# Altium PCB NNP-DWG-165-001-000 BP2 PCB, Unpopulated.PcbDoc (part 2 of 3) (continued)
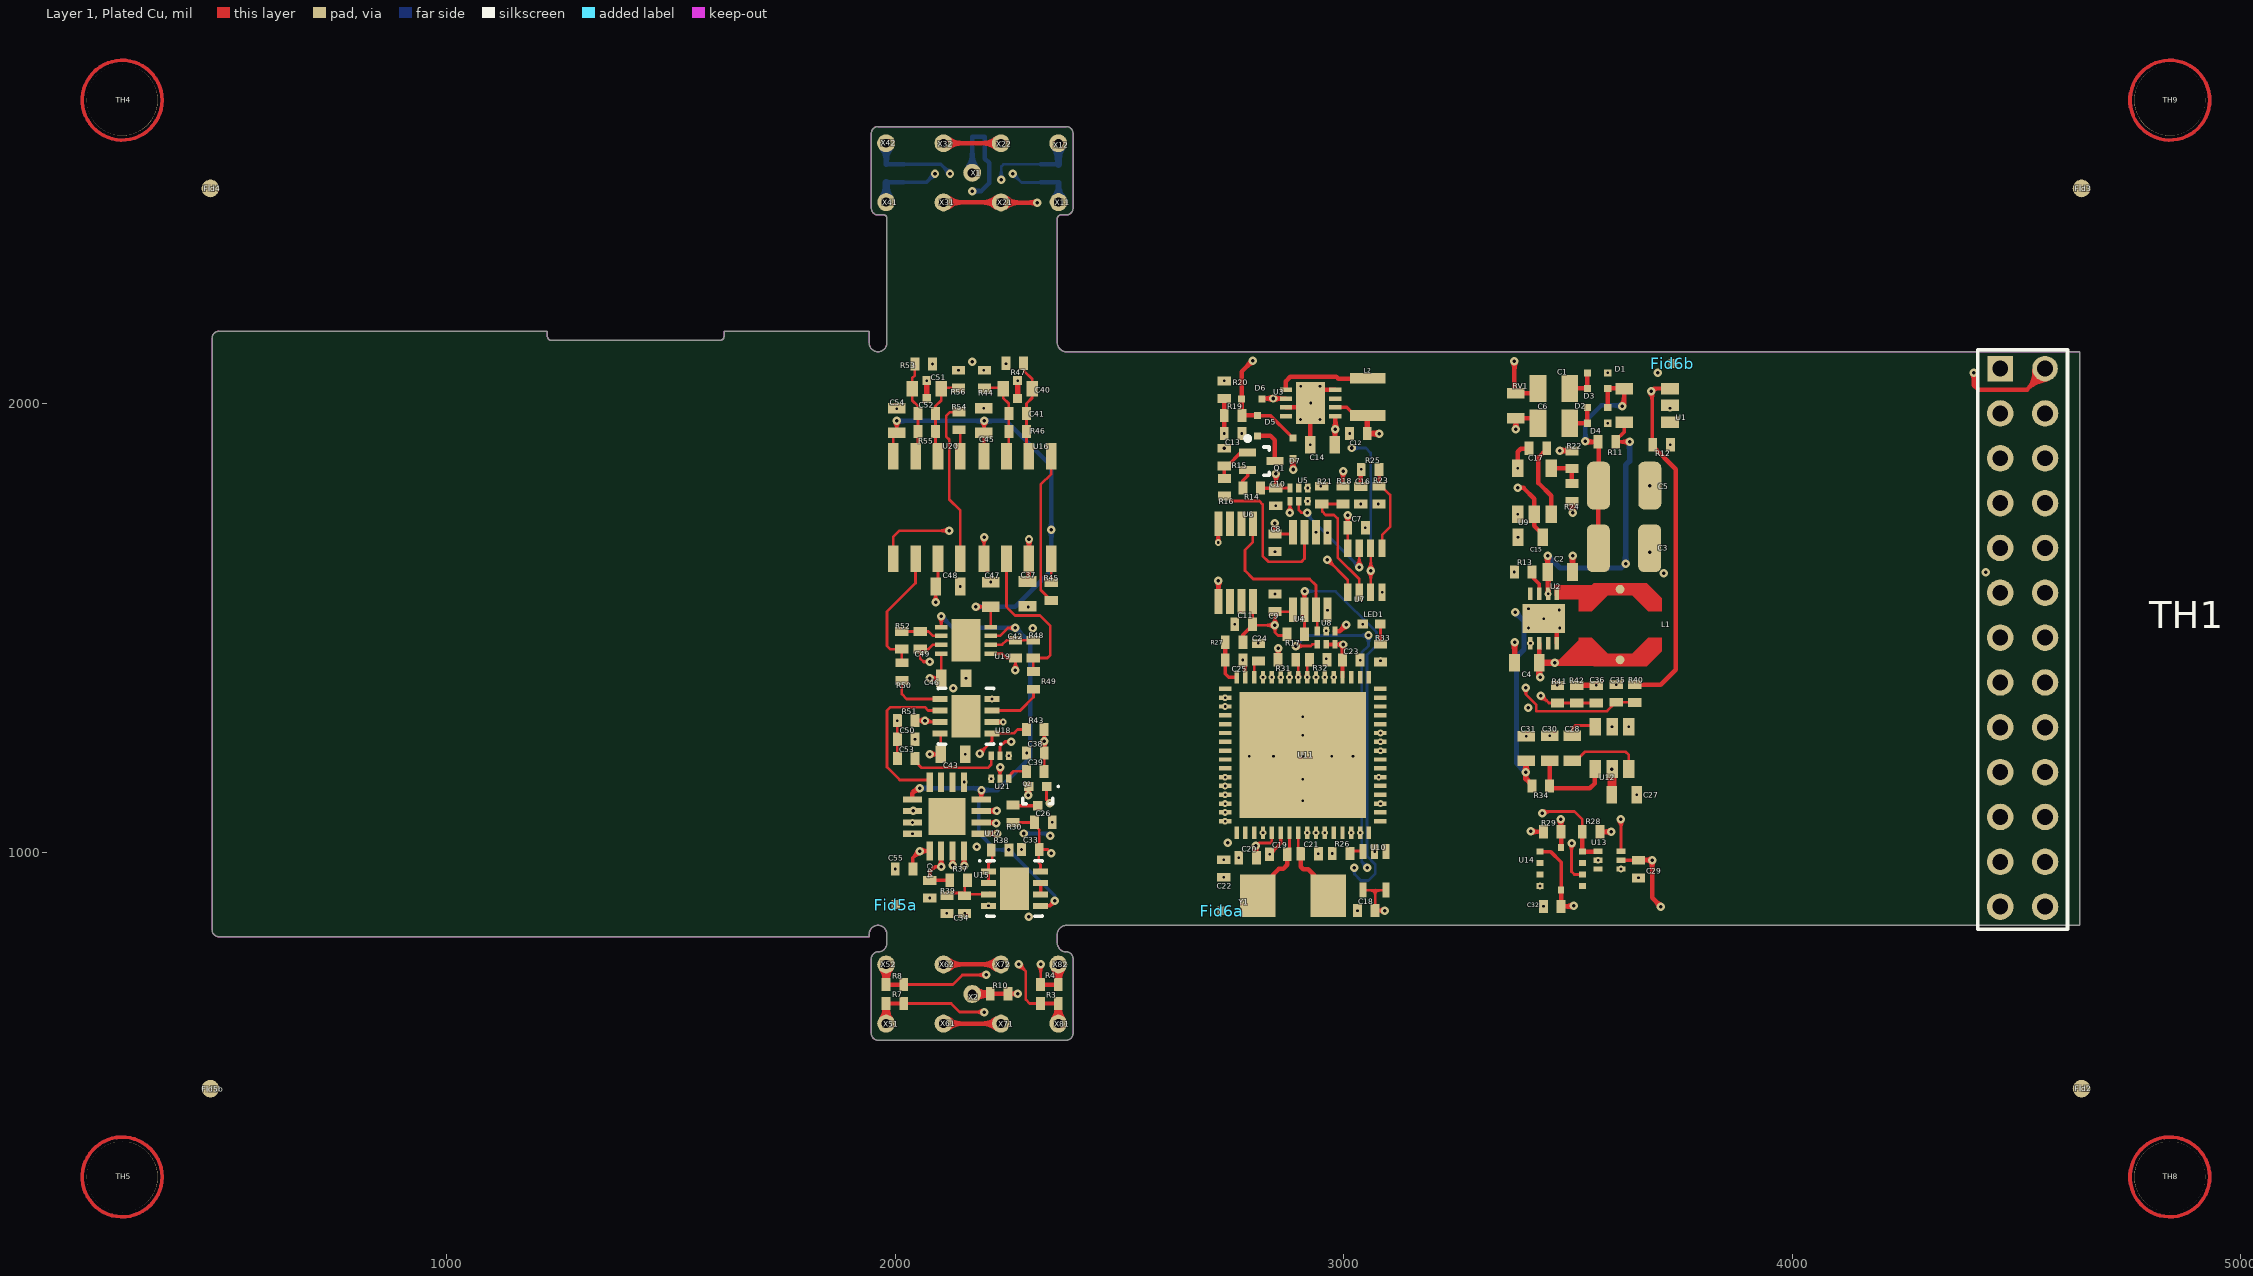
[diagram p0: Layer 1, Plated Cu view]
## Nets (pads, with @x,y where several pads share a name; then routed paths per layer and width w, separated by ;. In a path a pad name is that pad's centre, name@x,y a point inside that pad or via, vN(x,y) a via of type N, cw(c..) or ccw(c..) an arc to the next point about the centre after c; other vN are vias at no path point) (continued)
NetR38_1: R38.1 U15.1 U15.2 | length 77.2
  Layer 1, Plated Cu w5.98: U15.2@2207.81,931.44 U15.1@2207.81,957.03 2207.81,973.87 2216.43,982.49 R38.1@2216.43,1004.95 ; R38.1@2210.58,993.96 R38.1@2210.65,994.02
NetR45_1: R45.1 U16.1 | length 341.1
  Layer 1, Plated Cu w6: R45.1@2347.76,1561.52 2324.01,1585.27 2324.01,1819.9 2347.84,1843.72 U16.1@2347.84,1882.91
NetR45_2: R45.2 U16.8 | length 53.7
  Layer 1, Plated Cu w6: R45.2@2347.76,1600.89 2347.76,1654.48 U16.8@2347.84,1654.56
NetR49_2: R49.2 U18.3 | length 130
  Layer 1, Plated Cu w5.98: U18.3@2215.75,1315.98 2278.59,1315.98 2308.27,1345.66 R49.2@2308.27,1363.23 2304.83,1363.23 R49.2@2307.78,1366.18
NetR50_2: R50.2 U18.5 | length 124.5
  Layer 1, Plated Cu w5.98: R50.2@2017.92,1385.86 2014.47,1382.42 2014.47,1352.4 2025.3,1341.57 U18.5@2099.61,1341.57
NetR54_1: R54.1 U20.1 | length 60.4
  Layer 1, Plated Cu w5.98: R54.1@2141.94,1941.97 2145.08,1938.82 U20.1@2145.08,1882.91
NetR54_2: R54.2 U20.8 | length 363.3
  Layer 1, Plated Cu w5.98: R54.2@2141.94,1981.34 2122.25,1981.34 2113.39,1972.48 2113.39,1927.2 2120.28,1920.31 2120.28,1786.45 2145.08,1761.65 U20.8@2145.08,1654.56
NetU5_1: U5.1 U7.1 | length 254.2
  Layer 1, Plated Cu w5.98: v1@2880.12,1757.91 U5.1@2880.12,1782.52 ; v1(2963.79,1652.6) 3009.06,1607.32 U7.1@3009.06,1579.76
  Layer 3, Cu w5.98: v1@2880.12,1755.94 2880.12,1736.26 v1(2963.79,1652.6)
  other v1: 2880.12,1756.93
NetU5_2: U5.2 U7.7 | length 256.3
  Layer 1, Plated Cu w5.98: U5.2@2899.81,1782.52 2899.81,1762.83 2905.71,1756.93 v1(2918.51,1756.93) ; v1(3034.65,1635.86) U7.7@3034.65,1678.19
  Layer 3, Cu w10: v1@3033.67,1635.86 v1(3034.65,1635.86)
  Layer 4, Plated Cu w5.98: v1@2912.6,1756.93 2913.59,1756.93 v1(3034.65,1635.86)
NetU6_5: U6.5 U8.1 | length 400
  Layer 1, Plated Cu w10: U6.5@2720.68,1561.06 v1(2720.68,1605.35) ; U8.1@2980.52,1493.15 2991.43,1493.15 v1(3005.21,1506.93)
  Layer 3, Cu w5.98: v1(2720.68,1605.35) 2792.05,1533.98 2852.14,1533.98 2879.19,1506.93 v1(3005.21,1506.93)
NetU15_6: U15.6 U15.7 | length 25.6
  Layer 1, Plated Cu w8: U15.6@2323.96,905.85 U15.7@2323.96,931.44
NetU17_5: U17.5 U18.2 | length 199.6
  Layer 1, Plated Cu w8: U18.2@2215.75,1290.39 v2(2240.62,1290.39)
  Layer 2, Cu w8: v2(2153.41,1156.6) 2161.64,1156.6 2221.41,1216.36 2221.41,1271.18 v2(2240.62,1290.39)
NetU17_8: U17.8 U18.6 | length 363.6
  Layer 1, Plated Cu w5.98: U17.8@2076.58,1156.04 2071.82,1160.8 2010.16,1160.8 2009.3,1161.66 1981.5,1189.46 1981.5,1315.49 1989.38,1323.36 2065.66,1323.36 2073.13,1315.89 2099.71,1315.89 U18.6@2102.57,1313.03
NRESET: R26.2 TH1.10 U11.20 | length 1887.7
  Layer 2, Cu w5.98: v3(2820.08,1066.97) v2(2820.08,1043.34) 2844.69,1018.74 2952.96,1018.74 v2(2974.61,997.08)
  Layer 3, Cu w5.98: v3(2820.08,1066.97) 2858.79,1105.67 3637.07,1105.67 3709.85,1178.44 TH1.10@4464.26,1178.44
OFF1: C42.1 R31.1 U16.5 U19.1 | length 1083.2
  Layer 1, Plated Cu w5.98: U16.5@2197.84,1654.56 v1(2197.84,1702.6) ; U19.1@2212.8,1442.95 2238.39,1442.95 2248.23,1433.11 C42.1@2258.08,1433.11 ; v1(2267.92,1405.55) C42.1@2267.92,1433.11 ; R31.1@2854.04,1429.66 v1(2854.04,1455.25)
  Layer 3, Cu w5.98: v1@2198.2,1702.6 2198.2,1475.27 v1(2267.92,1405.55) 2303.38,1405.55 2353.09,1455.25 v1(2854.04,1455.25)
OFF2: C49.1 R32.1 U19.7 U20.5 | length 1556.6
  Layer 1, Plated Cu w5.98: U20.5@1995.08,1654.56 1995.08,1702.6 2009.55,1717.06 v1(2120.28,1717.06) ; v1(2076.97,1424.74) 2062.7,1424.74 2055.32,1432.12 C49.1@2055.32,1452.79 2074.02,1452.79 2083.86,1462.64 U19.7@2102.57,1462.64
  Layer 2, Cu w5.98: v1(2076.97,1424.74) 2110.59,1458.35 2265.89,1458.35 v1(2306.62,1499.09)
  Layer 2, Cu w7.87: v2(2961.32,1431.62) 2961.32,1463.12 v3(2962.8,1464.6)
  Layer 3, Cu w5.98: v1(2076.97,1424.74) 2121.42,1469.19 2121.42,1720.84 v1@2120.28,1721.99 ; v1(2306.62,1499.09) 2327.32,1478.38 2906.7,1478.38 2920.48,1464.6 v3(2962.8,1464.6)
PB5: TH1.12 U11.15 | length 1788.8
  Layer 2, Cu w10: v2(2735.44,1088.62) v5(2757.09,1088.62)
  Layer 3, Cu w6: v5(2757.09,1088.62) 2779.71,1088.62 2790.56,1077.77 2790.56,1053.34 2820.22,1023.68 3382.37,1023.68 3403.73,1002.32 3695.57,1002.32 3719.45,978.44 TH1.12@4464.26,978.44
PB6: TH1.25 U11.16 | length 1933.1
  Layer 2, Cu w10: v2(2735.44,1068.93) 2735.6,1068.78 2763.55,1068.78 v5(2766.04,1066.29)
  Layer 3, Cu w6: v5(2766.04,1066.29) 2766.04,1020.26 2795.57,990.73 3390.35,990.73 3416.52,964.56 3693.81,964.56 3728,930.37 4495.26,930.37 4543.33,978.44 TH1.25@4564.26,978.44
RXCAN: TH1.16 U8.4 U11.31 | length 2655.3
  Layer 1, Plated Cu w5.98: v1(2892.92,1459.68) 2926.38,1459.68 2930.32,1463.62 U8.4@2941.15,1463.62
  Layer 2, Cu w5.98: v2(3036.62,1043.34) 3036.62,1009.88 3052.37,994.13 v1(3052.37,965.59)
  Layer 3, Cu w5.98: v1@3053.35,1483.3 v1(3055.32,1483.3) 3083.91,1511.89 3514.52,1511.89 3573.03,1570.4 3573.03,1750.14 3750.66,1927.76 4514.94,1927.76 TH1.16@4564.26,1878.44
  Layer 4, Plated Cu w5.98: v1(2892.92,1459.68) 2916.54,1483.3 v1@3054.43,1483.3 ; v1@3052.53,965.59 3040.18,977.93 3040.18,1445.11 3055.32,1460.25 v1(3055.32,1483.3)
RXD0: TH1.19 U11.2 | length 1995.6
  Layer 2, Cu w5.98: v2(2735.44,1344.52) v3(2774.81,1344.52)
  Layer 3, Cu w5.98: v3(2774.81,1344.52) 2863.39,1344.52 2928.07,1279.84 3490.92,1279.84 3679.87,1468.79 3679.87,1496.71 3710.96,1527.79 4513.61,1527.79 TH1.19@4564.26,1578.44
SCK: TH1.21 U11.11 U17.1 | length 2605.9
  Layer 1, Plated Cu w10: U17.1@2191.74,1040.88 v1(2227.32,1040.88)
  Layer 2, Cu w5.98: v2@2732.02,1167.36 v2(2735.44,1167.36) 2759.93,1167.36 v3(2760.06,1167.22)
  Layer 3, Cu w5.98: v1(2227.32,1040.88) 2256.54,1070.11 2256.54,1114.61 2309.55,1167.62 2759.67,1167.62 v3(2760.06,1167.22) 2760.46,1166.83 2818.75,1166.83 2842.65,1142.93 3585.35,1142.93 3625.82,1183.4 3625.82,1215.65 3742.55,1332.38 4518.2,1332.38 TH1.21@4564.26,1378.44
SCL: R28.2 TH1.23 U11.25 U13.1 U14.9 | length 1932
  Layer 1, Plated Cu w5.98: v1(3442.65,1086.62) 3446.75,1090.72 3514.34,1090.72 3532.14,1072.93 R28.2@3532.14,1045.37
  Layer 1, Plated Cu w10: R28.2@3532.14,1045.37 3532.14,1001.33 U14.9@3532.18,1001.29 3566.9,1001.29 U13.1@3567.39,1001.77
  Layer 2, Cu w5.98: v2(2918.51,1043.34) v3(2918.51,1084.68)
  Layer 3, Cu w5.98: v3(2918.51,1084.68) 2918.63,1084.8 3440.83,1084.8 v1(3442.65,1086.62) 3448.77,1092.74 3654.17,1092.74 3688.61,1127.18 3733.77,1127.18 4343.37,1125.97 4511.79,1125.97 TH1.23@4564.26,1178.44
SDA: R29.2 TH1.11 U11.26 U13.6 U14.10 | length 1691
  Layer 1, Plated Cu w5.98: v1(3618.05,1072.93) 3618.57,1072.41 U13.6@3618.57,1001.77
  Layer 1, Plated Cu w10: v1(3483.58,1072.89) 3484.62,1071.85 R29.2@3484.62,1045.44 ; U14.10@3484.93,1010.15 R29.2@3484.93,1045.12
  Layer 2, Cu w9.84: v2(2938.2,1043.34) v3(2938.2,1066.97)
  Layer 3, Cu w5.98: v3(2938.2,1066.97) 3477.66,1066.97 v1(3483.58,1072.89) v1@3618.01,1072.89 ; v1(3618.05,1072.93) 3620.5,1070.48 3794.17,1070.48 4330.71,1069.68 4455.5,1069.68 TH1.11@4464.26,1078.44
TCK: R31.2 TH1.5 U11.57 | length 1885.6
  Layer 1, Plated Cu w5.98: R31.2@2893.41,1429.66 2898.82,1424.25 v2(2898.82,1389.8)
  Layer 2, Cu w5.98: v2(2898.82,1389.8) 2898.82,1356.19 2905.57,1349.45 v3@2918.51,1349.45
  Layer 3, Cu w5.98: v3(2918.51,1348.46) 2963.19,1303.78 3463.14,1303.78 3646.65,1487.29 3646.65,1603.36 3721.74,1678.44 TH1.5@4464.26,1678.44
TDI: TH1.17 U11.54 | length 1960.3
  Layer 2, Cu w9.84: v2(2957.88,1389.8) v3(2957.88,1409.49)
  Layer 3, Cu w5.98: v3(2957.88,1409.49) 2979.53,1387.83 3414.61,1387.83 3430.48,1371.97 3483.04,1371.97 3608.97,1497.9 3608.97,1699.99 3725.93,1816.94 4525.75,1816.94 TH1.17@4564.26,1778.44
TDO: TH1.3 U11.55 | length 1931.2
  Layer 2, Cu w5.98: v2(2938.2,1389.8) v3(2938.2,1442.95)
  Layer 3, Cu w5.98: v3(2938.2,1442.95) 2965.64,1442.95 2998.32,1410.27 3442.61,1410.27 3447.95,1404.94 3483.86,1404.94 3590.27,1511.35 3590.27,1750.45 3718.26,1878.44 TH1.3@4464.26,1878.44
TMS: R32.2 TH1.18 U11.56 | length 1997
  Layer 1, Plated Cu w5.98: v2(2918.51,1389.8) 2918.51,1424.74 R32.2@2923.43,1429.66
  Layer 2, Cu w9.84: v3@2918.51,1375.04 v2(2918.51,1389.8)
  Layer 3, Cu w5.98: v3@2918.51,1375.04 2971.93,1321.62 v1(3411.32,1321.62) 3456.55,1321.62 3627.89,1492.96 3627.89,1617.39 3646.65,1636.15 3646.65,1660.76 3709.39,1723.5 4519.2,1723.5 TH1.18@4564.26,1678.44
  other v3: 2918.51,1373.07
TXCAN: R17.2 TH1.2 U4.2 U11.30 | length 2836
  Layer 1, Plated Cu w5.98: R17.2@2912.6,1483.3 R17.2@2912.6,1486.26 U4.2@2912.6,1540.39 v1(2912.6,1581.73)
  Layer 2, Cu w5.98: v2(3016.94,1043.34) 3016.94,1004.96 3023.82,998.07 v1(3023.82,965.59)
  Layer 3, Cu w5.98: v1(2912.6,1581.73) 2929.34,1565 3474.92,1565 3553.56,1643.63 3553.56,1757.6 3684.47,1888.51 3684.47,1937.56 3726.54,1979.64 4444.5,1979.64 4454.95,1969.19 TH1.2@4464.26,1969.19
  Layer 4, Plated Cu w5.98: v1(2912.6,1581.73) 2982.12,1581.73 3073.16,1490.69 3073.16,1461.15 3052.15,1440.15 3052.15,991.03 3070.2,972.98 3070.2,951.53 3055.32,936.65 3038,936.65 3023.82,950.82 v1(3023.82,965.59)
TXCANBUS: R16.2 U4.7 | length 367.8
  Layer 1, Plated Cu w5.98: R16.2@2733.91,1794.11 2739.32,1794.11 2750.22,1783.21 2811.74,1783.21 2819.1,1775.85 2819.1,1660.57 2832,1647.67 2905.71,1647.67 2912.6,1654.56 U4.7@2912.6,1712.64
TXD0: TH1.7 U11.3 | length 1839.6
  Layer 2, Cu w5.98: v2(2735.44,1324.84) v3(2759.06,1324.84)
  Layer 3, Cu w5.98: v3(2759.06,1324.84) 2857.49,1324.84 2914.45,1267.87 3506.97,1267.87 3714.96,1475.87 4461.69,1475.87 TH1.7@4464.26,1478.44
UCH1: R43.1 U17.3 U18.1 | length 314.6
  Layer 1, Plated Cu w5.98: v1(2188.13,1220) 2215.75,1247.62 U18.1@2215.75,1264.8 2215.87,1264.92 2264.1,1264.92 2272.84,1273.66 R43.1@2292.53,1273.66
  Layer 1, Plated Cu w10: U17.3@2191.74,1092.06 v1(2226.02,1092.06)
  Layer 3, Cu w5.98: v1(2188.13,1220) 2188.13,1167.48 2226.02,1129.59 v1(2226.02,1092.06)
UCH2: R51.1 U17.10 U18.7 | length 277
  Layer 1, Plated Cu w5.98: R51.1@2043.98,1293.34 v1(2066.15,1293.34) 2069.1,1290.39 U18.7@2099.61,1290.39
  Layer 3, Cu w5.98: v1(2040.38,1091.87) 2030.73,1101.52 2030.73,1257.92 v1(2066.15,1293.34)
VABD: C13.1 R19.2 R20.1 U7.3 U7.6 | length 783.7
  Layer 1, Plated Cu w5.98: U7.3@3060.24,1579.76 v1(3060.24,1627.99) U7.6@3060.24,1678.19
  Layer 1, Plated Cu w10: v2(2733.46,1933.68) R19.2@2733.46,1973.97 R20.1@2733.46,2011.76
  Layer 2, Cu w10: v2(2733.46,1933.68) 2746.91,1920.24 v5(2752,1920.24)
  Layer 3, Cu w5.98: v5(2752,1920.24) 2891.68,1920.24 2910.52,1901.4 v1(3017.46,1901.4)
  Layer 4, Plated Cu w5.98: v1(3017.46,1901.4) 3049.29,1901.4 3060.24,1890.45 v1(3060.24,1627.99)
VIC: R12.1 R40.1 TH1.15 U1.3 | length 1689.7
  Layer 1, Plated Cu w8: v1(3685.57,2027.45) 3692.14,2034.02 U1.3@3727.78,2034.02 ; R12.1@3687.9,1906.77 v1@3687.9,2025.11
  Layer 1, Plated Cu w10: R40.1@3648.9,1373.29 3707.03,1373.29 3740.74,1406.99 3740.74,1853.93 R12.1@3687.9,1906.77
  Layer 3, Cu w8: v1(3685.57,2027.45) 4515.25,2027.45 TH1.15@4564.26,1978.44
VICAIN: C35.1 R40.2 U11.61 | length 938.5
  Layer 1, Plated Cu w5.98: v1(3406.32,1366.62) 3406.32,1351.84 3429.15,1329 3429.15,1314.45 3587.66,1314.45 3607.47,1334.27 C35.1@3608.1,1334.27 3648.55,1334.27 R40.2@3648.9,1333.92
  Layer 2, Cu w5.98: v2(2820.08,1389.8) v3(2820.08,1427.2)
  Layer 3, Cu w5.98: v3(2820.08,1427.2) 2914.57,1427.2 2975.16,1366.62 v1(3406.32,1366.62)
VIN: C2.1 R11.1 R41.1 TH1.4 U1.5 U2.2 U2.5 | length 1891
  Layer 1, Plated Cu w8: U1.5@3625.41,1959.21 3625.41,1937.04 3606.87,1918.5 R11.1@3606.87,1915.16 v1(3637.54,1915.16)
  Layer 1, Plated Cu w12: v1(3455.07,1660.97) C2.1@3455.07,1624.96 3455.84,1624.19 v2(3455.84,1575.93)
  Layer 2, Cu w8: v2(3416.47,1465.7) 3501.59,1465.7 3504.83,1468.94 ; v2(3455.84,1575.93) 3489.06,1575.93 3504.83,1560.16 3504.83,1468.94 ; v2(3476.55,1371.95) 3504.83,1400.23 3504.83,1468.94
  Layer 3, Cu w5.98: v1(3628.82,1643.54) 3628.82,1681.71 3725.55,1778.44 TH1.4@4464.26,1778.44
  Layer 4, Plated Cu w12: v1(3455.07,1660.97) 3482.37,1633.68 3618.96,1633.68 v1(3628.82,1643.54) 3628.82,1863.41 3637.54,1872.14 v1(3637.54,1915.16)
VINAIN: C36.1 R41.2 R42.1 U11.60 | length 775.2
  Layer 1, Plated Cu w5.98: v1(3439.5,1348.46) 3441.56,1348.46 3457.45,1332.58 R41.2@3476.55,1332.58 R42.1@3519.64,1332.58 C36.1@3563.48,1332.58
  Layer 2, Cu w5.98: v3(2839.77,1407.52) v3@2839.77,1409.49
  Layer 2, Cu w9.84: v2(2839.77,1389.8) v3(2839.77,1407.52)
  Layer 3, Cu w5.98: v3@2839.77,1409.49 2909.65,1409.49 2970.68,1348.46 v1(3439.5,1348.46)
VTN: R23.2 R25.1 U7.5 | length 196.2
  Layer 1, Plated Cu w5.98: R23.2@3078.94,1815.98 3084.14,1815.98 3103.55,1796.57 3103.55,1725.43 3085.83,1707.71 U7.5@3085.83,1678.19
  Layer 1, Plated Cu w8: R25.1@3078.63,1853.72 3078.94,1853.4 R23.2@3078.94,1815.98
VTP: R18.2 R21.1 U7.2 | length 288.6
  Layer 1, Plated Cu w5.98: R18.2@2999.22,1776.61 R18.2@2998.23,1776.61 2952.47,1776.61 2952.47,1759.39 2959.85,1752.01 2978.55,1752.01 2986.42,1744.13 2986.42,1657.52 3034.65,1609.29 U7.2@3034.65,1579.76
pads on no net: Fid2.1.00mm Fid2.tp Fid3.1.00mm Fid3.tp Fid4.1.00mm Fid4.tp Fid5a.Fid Fid5b.1.00mm Fid5b.tp Fid6a.Fid Fid6b.Fid Fid8.1.00mm Fid8.tp Fid9.1.00mm Fid9.tp Fid10.1.00mm Fid10.tp TH4.4.01mm TH5.4.01mm TH8.4.01mm TH9.4.01mm U1.1 U2.4 U2.7 U3.4 U3.7 U5.5 U6.2 U6.3 U6.6 U6.7 U10.1 U11.1 U11.4 U11.5 U11.6 U11.7 U11.8 U11.9 U11.10 U11.17 U11.18 U11.19 U11.28 U11.29 U11.32 U11.33 U11.34 U11.36 U11.37 U11.39 U11.40 U11.44 U11.45 U11.46 U11.47 U11.48 U11.49 U11.50 U11.51 U13.3 U14.2 U14.3 U14.6 U14.8 U15.9 U17.0 U17.6 U17.7 U17.17 U18.9 U19.9

## Polygon pours and split planes (outlines as drawn)
GND on Layer 2, Cu "L2 Flex GND-No Net 1" (solid, pour order 48): 1964.7,2116.14 1964.7,2102.46 1964.7,836.61 2378.09,836.61 2378.09,2116.14 1964.7,2116.14
GND on Layer 2, Cu "L2 Flex GND-No Net 1" (hatched 45Degree grid 16 track 6, pour order 44): 2378.09,2112.91 2375.67,1936.43 2375.67,839.03 2378.09,836.61 2721.76,836.61 2710.64,838.35 2710.64,852.86 2710.64,1997.25 2708.83,1999.05 2682.71,1999.05 2682.71,2112.91 2619.59,2112.91 2534.75,2112.91
BUSB on Layer 2, Cu "L2 Flex GND-No Net 1" (hatched 45Degree grid 16 track 6, pour order 42): 2300.06,2116.14 2326.8,2083.62 2326.8,2041.55 2326.8,1998.1 2327.76,1999.05 2363.41,1999.05 2708.95,1999.05 2708.86,2011.78 2708.86,2116.18 2700.92,2116.14
BUSB on Layer 2, Cu "L2 Flex GND-No Net" (hatched 45Degree grid 15.75 track 5.91, pour order 24): 3350.53,2116.14 3324.29,2116.14 3295.69,2116.14 3232.42,2116.14 3105.1,2116.14 3106.5,1567.95 3350.53,1567.95
BUSB on Layer 2, Cu "gnd" (solid, remove dead copper, pour order 17): 3107.14,2128.4 2709.5,2128.4 2709.5,2023.9 2710.64,1776.44 2757.62,1776.44 2781.87,1776.44 2793.43,1776.44 2799.19,1776.44 2813.67,1776.44 2813.67,1628.05 2897.61,1628.05 2973.92,1628.05 3007.4,1557.48 3107.14,1557.48
GND on Layer 2, Cu "L2 Flex GND-No Net" (solid, pour order 26): 3362.41,1535.47 3362.41,1543.85 3362.41,1552.24 3362.41,1563.51 3346.49,1560.88 3337.51,1560.88 3332.3,1555.67 3323.82,1555.67 3308.12,1555.67 3273.49,1555.67 3257.71,1555.67 3241.01,1555.67 3173.76,1555.67 3139.67,1555.67 3123.2,1555.67 3105.39,1555.67 3105.39,850.25 3361.29,850.25
GND on Layer 2, Cu "gnd" (solid, pour order 19): 3763.91,2116.14 3618.58,2116.14 3508.01,2116.14 3483.58,2116.14 3483.58,1925.79 3538.74,1925.79 3538.74,1675.88 3362.41,1675.88 3362.41,1550.23 3362.41,844.52 3756.11,844.52
BUSB on Layer 2, Cu "gnd" (solid, pour order 21): 3755.71,2084 3755.71,2079.42 3755.71,2054.88 3476.19,2054.88 3476.19,2030.17 3476.19,1912.43 3527.37,1912.43 3527.37,1631.75 3396.3,1631.75 3347.98,1631.75 3350.53,2104.33 3555.46,2104.33 3657.4,2104.33 3706.26,2104.33 3735.38,2104.33 3755.12,2104.33
GND on Layer 2, Cu "L2 Flex GND-No Net" (solid, pour order 30): 4632.93,2010.68 4407.68,2010.68 4407.68,839.17 4639.42,839.17
no net on Layer 2, Cu "L2 Flex GND-No Net" (solid, pour order 3): 1946.39,2603.15 cw(c1961.39,2603.15) 1961.39,2618.15 1961.48,2618.13 2381.48,2618.13 cw(c2381.48,2603.13) 2396.48,2603.13 2396.48,2436.24 cw(c2381.52,2436.24) 2381.52,2421.28 1961.44,2421.28 cw(c1961.44,2436.24) 1946.48,2436.24
no net on Layer 2, Cu "L2 Flex GND-No Net" (solid, pour order 38): 2396.53,595.55 cw(c2381.53,595.55) 2381.53,580.55 2381.44,580.56 1961.44,580.56 cw(c1961.44,595.56) 1946.44,595.56 1946.44,762.45 cw(c1961.4,762.45) 1961.4,777.41 2381.48,777.41 cw(c2381.48,762.45) 2396.44,762.45
GND on Layer 2, Cu "gnd" (solid, pour order 40): 2712.18,1764.4 2733.06,1764.4 2762.81,1764.4 2778.12,1764.4 2791.34,1764.4 2794.79,1764.4 2803.95,1764.4 2803.95,1730.13 2803.95,1716.68 2803.95,1709.96 2803.95,1652.69 2803.95,1629.45 2803.94,1614.45 2965.06,1614.45 2996.68,1545.84 3110.05,1545.84 3110.05,850.38 2711.31,851.35
BUSB on Layer 2, Cu "L2 Flex GND-No Net 1" (solid, pour order 50): 4360.36,2116.14 4360.36,2014.14 4633.08,2014.14 4641.96,2023.03 4641.96,2116.14 4360.36,2116.14
3V3 on Layer 4, Plated Cu "gnd" (solid, pour order 23): 3363.39,839.17 3363.39,1895.71 3484.45,1895.71 3484.45,2009.88 3756.11,2009.88 3756.11,839.17
AVDD on Layer 4, Plated Cu "gnd" (solid, remove dead copper, pour order 20): 2366.34,2045.31 2366.34,2104.37 2275.79,2104.37 2067.13,2104.37 1976.58,2104.37 1976.58,2045.31 1976.58,911.45 1976.58,845.32 2048.51,845.9 2366.34,845.9
3V3 on Layer 4, Plated Cu "gnd" (solid, remove dead copper, pour order 22): 3106.5,1557.12 3055.32,1557.12 2984.45,1627.99 2807.29,1627.99 2807.29,1761.85 2708.86,1761.85 2708.86,848.46 3106.5,848.46
3V3BUS on Layer 4, Plated Cu "gnd" (solid, pour order 25): 3106.5,2104.37 3106.5,1565 3059.26,1565 2988.39,1635.86 2815.16,1635.86 2815.16,1769.72 2708.86,1769.72 2708.86,2104.37

## Keep-outs
Keep-Out Layer:
  lines w1.97: 1232.05,2141.93 cw(c1232.05,2149.8) 1224.18,2149.8 1224.18,2161.62 491.15,2161.62 ccw(c491.15,2146.62) 476.15,2146.62 476.15,826.61 ccw(c491.15,826.61) 491.15,811.61 1941.32,811.61 1941.32,816.61 cw(c1961.32,816.61) 1981.32,816.61 1981.32,797.56 cw(c1961.32,797.56) 1961.32,777.56 ccw(c1961.32,762.56) 1946.32,762.56 1946.32,595.71 ccw(c1961.32,595.71) 1961.32,580.71 2381.32,580.71 ccw(c2381.32,595.71) 2396.32,595.71 ; 1232.05,2141.93 1232.05,2141.93 ; 1232.05,2141.93 1610.01,2141.93 ; 1610.01,2141.93 ccw(c1610.01,2149.8) 1617.88,2149.8 1617.88,2161.62 1941.32,2161.62 1941.32,2136.14 ccw(c1961.32,2136.14) 1981.32,2136.15 ; 1610.01,2141.93 1610.01,2141.93 ; 1981.32,2136.15 1981.32,2136.15 ; 1981.32,2136.15 1981.39,2413.39 ccw(c1973.52,2413.39) 1974.01,2421.25 1961.37,2421.25 cw(c1961.37,2436.21) 1946.41,2436.21 1946.41,2603.1 cw(c1961.41,2603.1) 1961.41,2618.1 2381.41,2618.1 cw(c2381.41,2603.1) 2396.41,2603.1 2396.41,2436.21 cw(c2381.45,2436.21) 2381.45,2421.25 2368.77,2421.25 ccw(c2369.26,2413.39) 2361.39,2413.39 2361.32,2136.15 ; 2361.32,2136.15 ccw(c2381.32,2136.14) 2381.32,2116.14 4641.96,2116.14 4641.96,836.61 2381.32,836.61 ccw(c2381.32,816.61) 2361.32,816.61 2361.32,797.56 ccw(c2381.32,797.56) 2381.32,777.56 cw(c2381.32,762.56) 2396.32,762.56 ; 2361.32,2136.15 2361.32,2136.15 ; 2396.32,595.71 2396.32,762.56 ; 2396.32,595.71 2396.32,595.71 ; 2396.32,762.56 2396.32,762.56

## Other copper
Layer 1, Plated Cu:
  region net 3V3: 3538.74,1473.49 3525.62,1473.49 3474.44,1422.31 3474.44,1415.42 3558.1,1415.42 3564.99,1422.31 3564.99,1442
  region net NetL1_1: 3563.2,1563.74 3478.55,1563.74 3470.68,1571.61 3470.68,1595.24 3555.61,1595.24 3563.19,1587.66
Layer 2, Cu:
  text "52-2003_05" at 1294.61,895.06 h45

## Silkscreen, mask and mechanical layers (free items; w line width, h text height)
Layer 1, Solder:
  rectangle: 3763.91,836.61 4360.36,2116.14
  rectangle: 3114.55,836.61 3351.01,2116.14
  rectangle: 2378.09,836.61 2700.92,2116.14
  region: 1974.08,2423.8 ccw(c1974.08,2421.28) 1973.92,2418.77 cw(c1973.58,2413.42) 1978.94,2413.42 ccw(c1981.46,2413.42) 1978.94,2413.4 1978.87,2136.18 ccw(c1981.39,2136.18) 1978.87,2136.18 cw(c1961.39,2136.18) 1961.39,2118.69 cw(c1961.39,2136.18) 1943.9,2136.18 ccw(c1941.39,2136.18) 1938.87,2136.18 ccw(c1961.39,2136.18) 1961.39,2113.66 ccw(c1961.39,2136.18) 1963.93,2113.81 ccw(c1964.77,2116.18) 1964.77,2113.66 2378.16,2113.66 ccw(c2378.16,2116.18) 2378.96,2113.79 2378.96,2113.8 ccw(c2381.39,2136.18) 2381.39,2113.66 ccw(c2381.39,2116.18) 2381.39,2118.69 cw(c2381.39,2136.18) 2363.9,2136.18 2363.97,2413.42 cw(c2369.33,2413.42) 2368.99,2418.77 ccw(c2368.84,2421.28) 2368.84,2423.8
  region: 1963.93,839.02 cw(c1964.77,836.65) 1964.77,839.17 2378.16,839.17 cw(c2378.16,836.65) 2378.96,839.03 cw(c2381.39,816.65) 2381.39,839.17 cw(c2381.39,836.65) 2381.39,834.14 ccw(c2381.39,816.65) 2363.9,816.65 2363.9,797.6 ccw(c2381.39,797.6) 2381.39,780.11 cw(c2381.39,777.6) 2381.39,775.08 1961.39,775.08 cw(c1961.39,777.6) 1961.39,780.11 ccw(c1961.39,797.6) 1978.87,797.6 1978.87,816.65 ccw(c1961.39,816.65) 1943.9,816.65 cw(c1941.39,816.65) 1941.39,814.14 cw(c1941.39,816.65) 1938.87,816.65 cw(c1961.39,816.65)
  region: 489.55,812.21 1941.32,812.21 1941.32,820.08 1943.29,825.99 1946.24,830.91 1952.15,834.84 1958.05,836.81 1958.25,836.61 1964.7,836.61 1964.7,2116.14 1956.08,2117.32 1948.21,2120.28 1944.27,2125.2 1941.32,2132.09 1941.32,2161.62 1617.88,2161.62 1617.88,2149.8 1617.5,2146.85 1615.53,2143.9 1613.56,2142.91 1610.01,2141.93 1232.05,2141.93 1228.72,2142.91 1226.75,2143.9 1224.78,2146.85 1224.18,2149.8 1224.18,2161.62 489.55,2161.62 485.61,2160.63 480.69,2157.68 477.74,2153.74 476.75,2148.82 476.75,825 477.74,820.08 480.69,816.14 484.63,813.19
  lines w1.97: 1964.7,836.61 1964.7,2116.14 ; 2378.09,836.61 2378.09,2116.14 ; 2700.92,836.61 2700.92,2116.14 ; 3114.31,836.61 3114.31,2116.14 ; 3350.53,836.61 3350.53,2116.14 ; 3763.91,836.61 3763.91,2116.14 ; 4360.36,836.61 4360.36,2116.14 ; 1232.05,2141.93 cw(c1232.05,2149.8) 1224.18,2149.8 1224.18,2161.62 491.15,2161.62 ccw(c491.15,2146.62) 476.15,2146.62 476.15,826.61 ccw(c491.15,826.61) 491.15,811.61 1941.32,811.61 1941.32,816.61 cw(c1961.32,816.61) 1981.32,816.61 1981.32,797.56 cw(c1961.32,797.56) 1961.32,777.56 ccw(c1961.32,762.56) 1946.32,762.56 1946.32,595.71 ccw(c1961.32,595.71) 1961.32,580.71 2381.32,580.71 ccw(c2381.32,595.71) 2396.32,595.71 ; 1232.05,2141.93 1610.01,2141.93 ; 1232.05,2141.93 1232.05,2141.93 ; 1610.01,2141.93 ccw(c1610.01,2149.8) 1617.88,2149.8 1617.88,2161.62 1941.32,2161.62 1941.32,2136.14 ccw(c1961.32,2136.14) 1981.32,2136.15 ; 1610.01,2141.93 1610.01,2141.93 ; 1981.32,2136.15 1981.39,2413.39 ccw(c1973.52,2413.39) 1974.01,2421.25 1961.37,2421.25 cw(c1961.37,2436.21) 1946.41,2436.21 1946.41,2603.1 cw(c1961.41,2603.1) 1961.41,2618.1 2381.41,2618.1 cw(c2381.41,2603.1) 2396.41,2603.1 2396.41,2436.21 cw(c2381.45,2436.21) 2381.45,2421.25 2368.77,2421.25 ccw(c2369.26,2413.39) 2361.39,2413.39 2361.32,2136.15 ; 1981.32,2136.15 1981.32,2136.15 ; 2361.32,2136.15 ccw(c2381.32,2136.14) 2381.32,2116.14 4641.96,2116.14 4641.96,836.61 2381.32,836.61 ccw(c2381.32,816.61) 2361.32,816.61 2361.32,797.56 ccw(c2381.32,797.56) 2381.32,777.56 cw(c2381.32,762.56) 2396.32,762.56 ; 2361.32,2136.15 2361.32,2136.15 ; 2396.32,595.71 2396.32,595.71 ; 2396.32,595.71 2396.32,762.56 ; 2396.32,762.56 2396.32,762.56
Layer 4, Solder:
  lines w1.97: 1964.7,836.61 1964.7,2116.14 ; 2378.09,836.61 2378.09,2116.14 ; 2700.92,836.61 2700.92,2116.14 ; 3114.31,836.61 3114.31,2116.14 ; 3350.53,836.61 3350.53,2116.14 ; 3763.91,836.61 3763.91,2116.14 ; 4360.36,836.61 4360.36,2116.14 ; 1232.05,2141.93 cw(c1232.05,2149.8) 1224.18,2149.8 1224.18,2161.62 491.15,2161.62 ccw(c491.15,2146.62) 476.15,2146.62 476.15,826.61 ccw(c491.15,826.61) 491.15,811.61 1941.32,811.61 1941.32,816.61 cw(c1961.32,816.61) 1981.32,816.61 1981.32,797.56 cw(c1961.32,797.56) 1961.32,777.56 ccw(c1961.32,762.56) 1946.32,762.56 1946.32,595.71 ccw(c1961.32,595.71) 1961.32,580.71 2381.32,580.71 ccw(c2381.32,595.71) 2396.32,595.71 ; 1232.05,2141.93 1610.01,2141.93 ; 1232.05,2141.93 1232.05,2141.93 ; 1610.01,2141.93 ccw(c1610.01,2149.8) 1617.88,2149.8 1617.88,2161.62 1941.32,2161.62 1941.32,2136.14 ccw(c1961.32,2136.14) 1981.32,2136.15 ; 1610.01,2141.93 1610.01,2141.93 ; 1981.32,2136.15 1981.39,2413.39 ccw(c1973.52,2413.39) 1974.01,2421.25 1961.37,2421.25 cw(c1961.37,2436.21) 1946.41,2436.21 1946.41,2603.1 cw(c1961.41,2603.1) 1961.41,2618.1 2381.41,2618.1 cw(c2381.41,2603.1) 2396.41,2603.1 2396.41,2436.21 cw(c2381.45,2436.21) 2381.45,2421.25 2368.77,2421.25 ccw(c2369.26,2413.39) 2361.39,2413.39 2361.32,2136.15 ; 1981.32,2136.15 1981.32,2136.15 ; 2361.32,2136.15 ccw(c2381.32,2136.14) 2381.32,2116.14 4641.96,2116.14 4641.96,836.61 2381.32,836.61 ccw(c2381.32,816.61) 2361.32,816.61 2361.32,797.56 ccw(c2381.32,797.56) 2381.32,777.56 cw(c2381.32,762.56) 2396.32,762.56 ; 2361.32,2136.15 2361.32,2136.15 ; 2396.32,595.71 2396.32,595.71 ; 2396.32,595.71 2396.32,762.56 ; 2396.32,762.56 2396.32,762.56